# KiCad board ikafly_rev0a_p.kicad_pcb (continued)
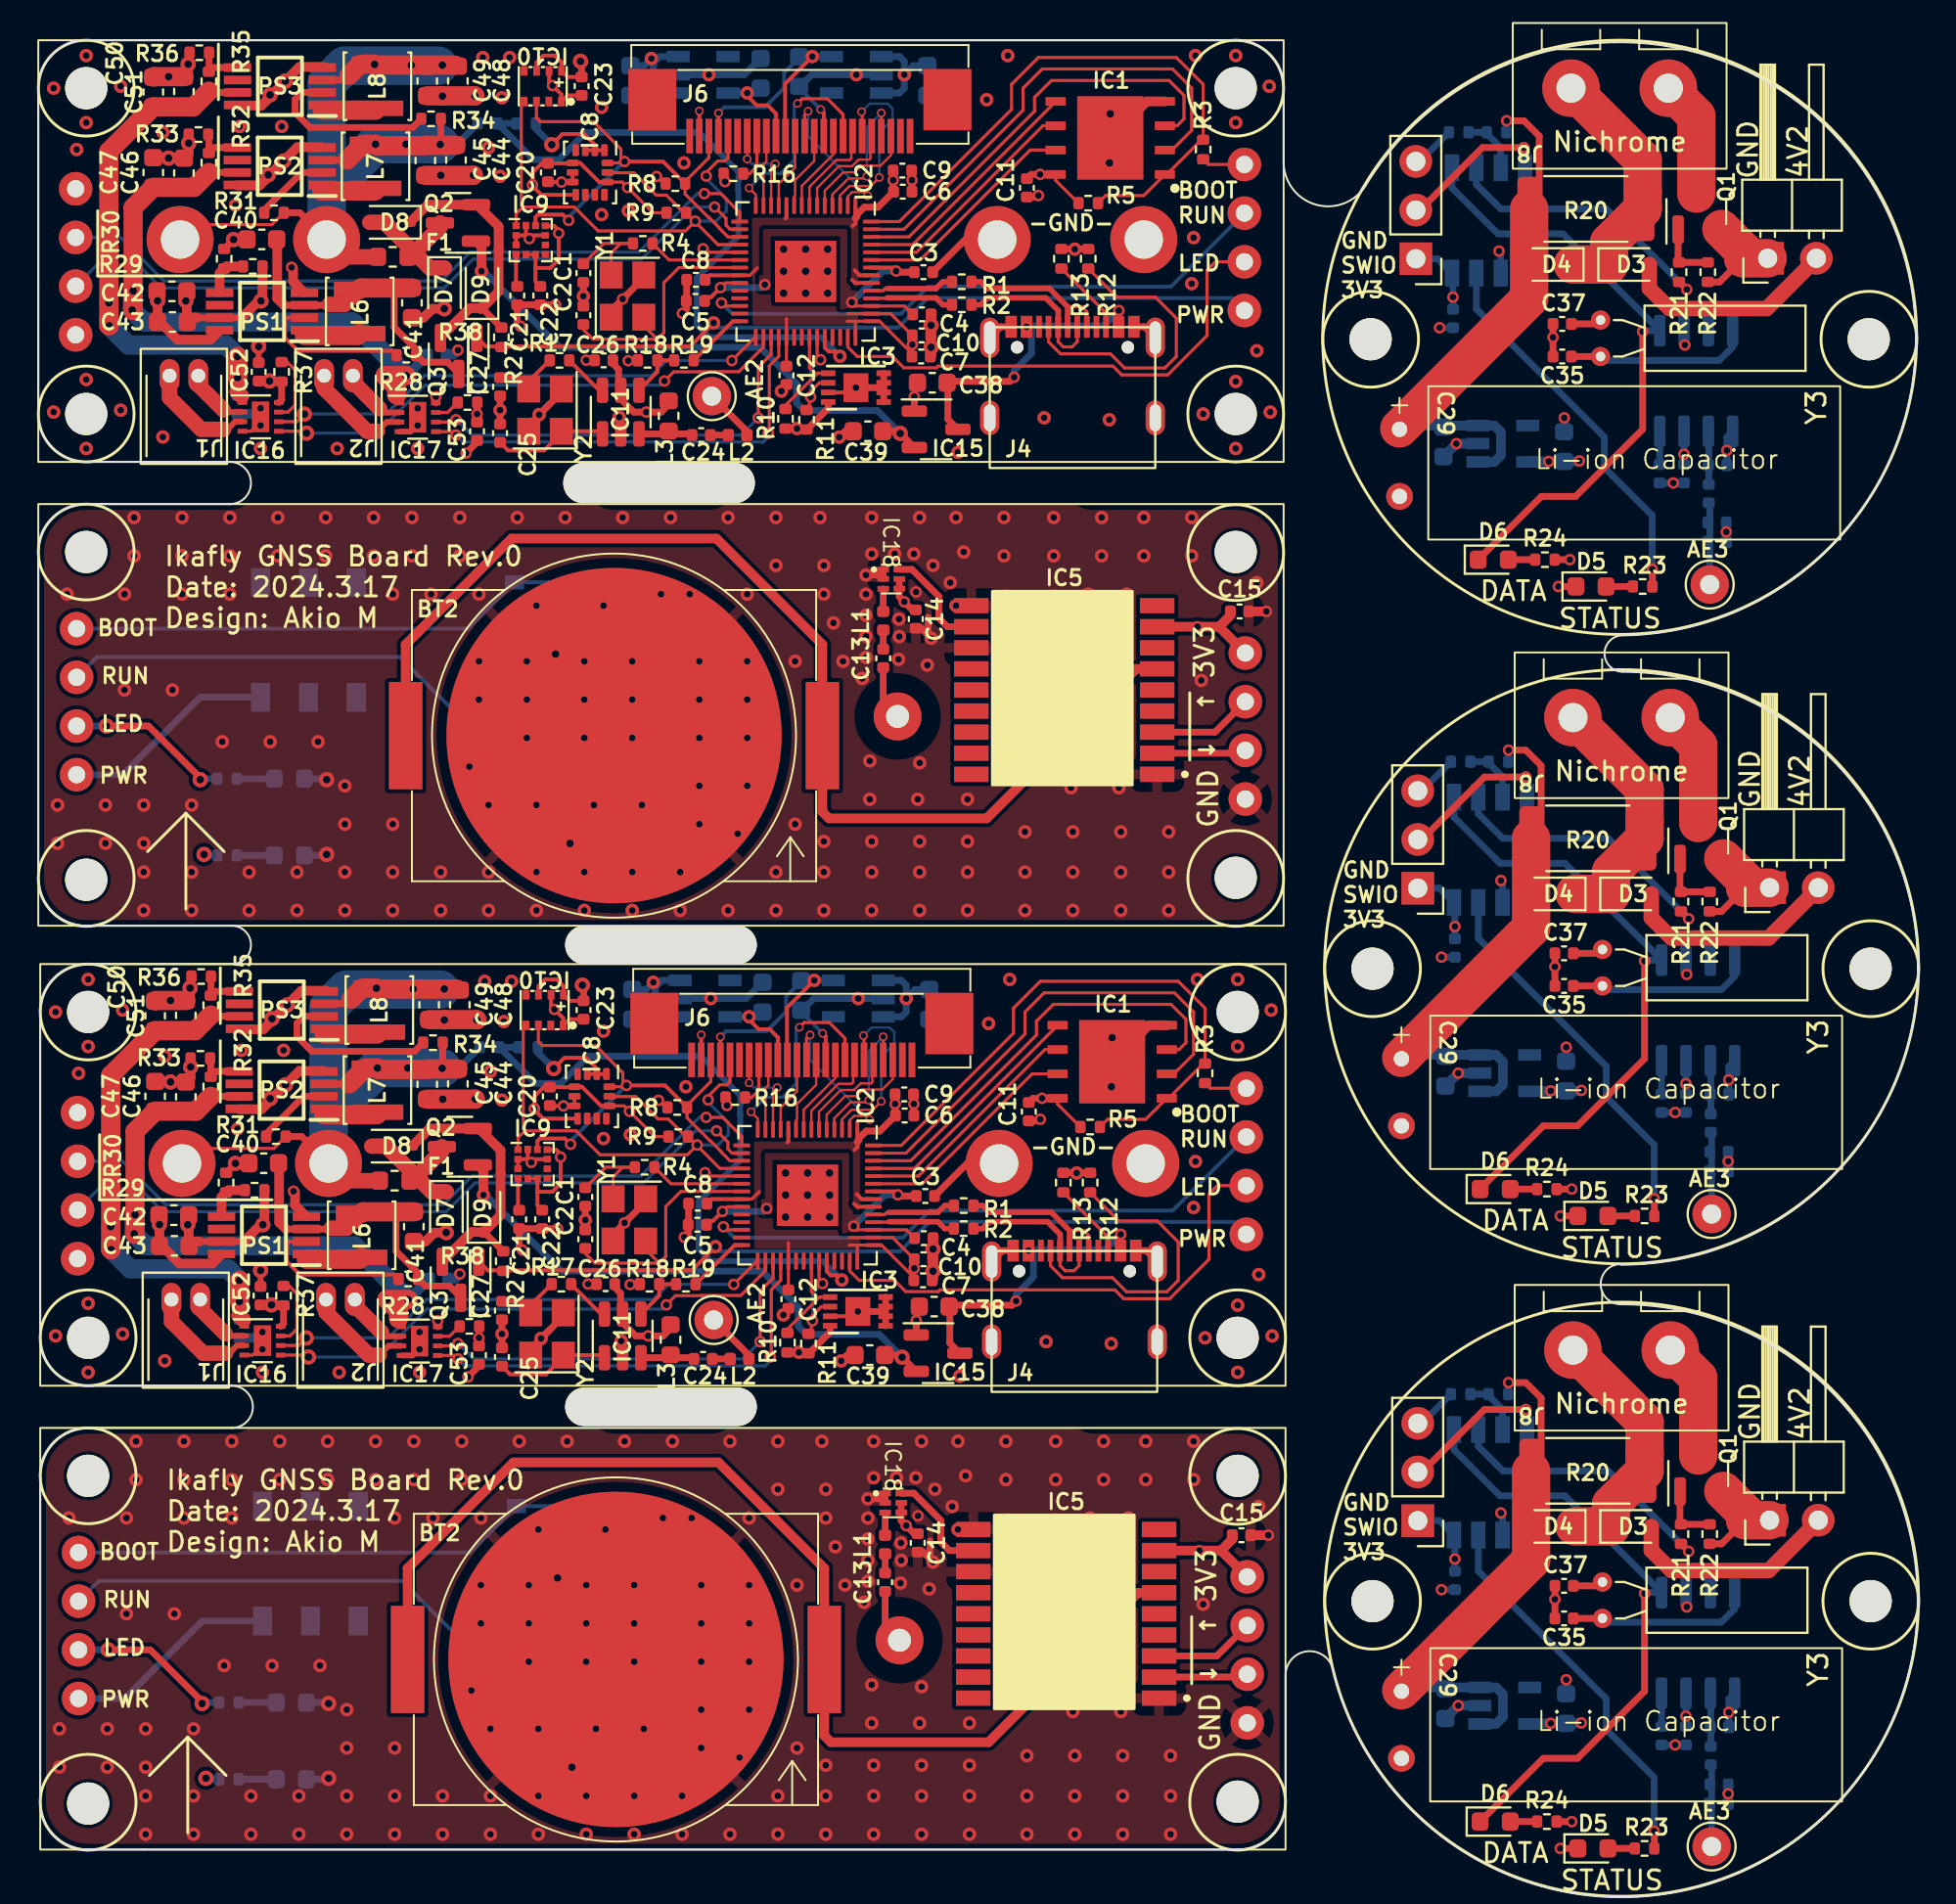
[diagram p0: board, top side]
## Routing (per net, layer and track width the routed paths; a pad name or vN(x,y) marks a point on that pad's centre or on a via; arc(x,y) is an arc through that point) (continued)
  Top w0.16: R3#2.1 61.17,42.2 J3#2.5 ; R3.1 61.07,90.4 J3.5
  Bottom w0.2: J5#2.5 22.43,66.18 S1#2.B1 S1#2.A1 ; S1.A1 S1.B1 22.53,17.98 J5.5
/Ikafly_GNSS/LED: length 69.8
  Top w0.16: J3.7 61.44,85.32 61,84.88 61,81.47 58.95,79.42 56.55,79.42 56.09,79.88 46.96,79.88 46.87,79.79 45.17,79.79 44.58,80.38 42.75,80.38 42.25,80.88 IC2.41 ; J3#2.7 61.54,37.12 61.1,36.68 61.1,33.27 59.05,31.22 56.65,31.22 56.19,31.68 47.06,31.68 46.97,31.59 45.27,31.59 44.69,32.18 42.85,32.18 42.35,32.68 IC2#2.41
  Top w0.35: v2(8.45,58.3) 8.45,58.4 5.75,61.1 v2(3.55,61.1) ; v2(8.55,10.1) 8.55,10.2 5.85,12.9 v2(3.65,12.9)
  Bottom w0.35: R14.1 8.5,58.35 v2(8.45,58.3) ; v2(3.55,61.1) J5#2.7 ; v2(8.55,10.1) 8.6,10.15 R14#2.1 ; v2(3.65,12.9) J5.7
/Ikafly_GNSS/MISO: length 85.5
  Top w0.16: v3(35.3,88.18) 35.89,87.59 35.89,87.23 36.11,87.02 IC2.16 ; IC2#2.16 36.21,38.82 35.99,39.03 35.99,39.39 v3(35.4,39.98)
  Top w0.35: IC5.2 62.85,59.68 J5#2.3 ; IC5#2.2 62.95,11.48 J5.3
  Bottom w0.16: J3.3 3.08,85.18 5.19,85.18 6.41,83.96 21.19,83.96 22.69,85.46 31.49,85.46 34.21,88.18 v3(35.3,88.18) ; v3(35.4,39.98) 34.31,39.98 31.59,37.26 22.79,37.26 21.29,35.76 6.51,35.76 5.29,36.98 3.18,36.98 J3#2.3
/Ikafly_GNSS/MOSI: length 87.3
  Top w0.16: v3(34.86,40.68) 35.72,40.68 36.71,39.69 IC2#2.15 ; v3(34.76,88.88) 35.62,88.88 36.61,87.89 IC2.15
  Top w0.35: IC5.3 61.41,60.78 J5#2.2 ; J5.2 61.51,12.58 IC5#2.3
  Bottom w0.16: v3(34.86,40.68) 34.5,40.68 31.44,37.62 22.64,37.62 21.14,36.12 6.66,36.12 4.39,38.39 J3#2.2 ; J3.2 4.29,86.59 6.56,84.32 21.04,84.32 22.54,85.82 31.34,85.82 34.4,88.88 v3(34.76,88.88)
/Ikafly_GNSS/RUN: length 125
  Top w0.16: v3(35.76,34.98) 35.92,34.82 IC2#2.26 ; IC2.26 35.82,83.02 v3(35.66,83.18)
  Bottom w0.2: v3(35.76,34.98) 36.33,34.41 45.13,34.41 46.54,35.82 59.21,35.82 J3#2.6 ; J3.6 59.11,84.02 46.44,84.02 45.03,82.61 36.23,82.61 v3(35.66,83.18) ; J5.6 3.16,16.5 18.97,16.5 S2.B1 S2.A1 ; S2#2.A1 S2#2.B1 18.88,64.7 3.06,64.7 J5#2.6
/Ikafly_MCU/I2C0.SCL: length 10.9
  Top w0.16: v3(40.83,80.21) 40.65,80.39 IC2.37 ; IC2#2.37 40.75,32.19 v3(40.93,32.01) ; IC3.6 40.86,30.81 40.41,30.35 v3(40.41,30.07) 40.35,30.01 40.35,29.44 ; 40.25,77.64 40.25,78.21 v3(40.31,78.27) 40.31,78.55 40.76,79.01 IC3#2.6
  Bottom w0.16: v3(40.31,78.27) 40.31,79.69 v3(40.83,80.21) ; v3(40.93,32.01) 40.41,31.49 v3(40.41,30.07)
/Ikafly_MCU/I2C0.SDA: length 10.6
  Top w0.16: IC2#2.36 40.35,31.59 40.63,31.31 40.83,31.31 ; IC3#2.5 40.73,79.51 ; 40.73,79.51 40.53,79.51 40.25,79.79 IC2.36 ; 40.73,79.51 40.67,79.51 39,77.83 R10#2.2 ; 40.83,31.31 40.77,31.31 39.1,29.63 R10.2 ; 40.83,31.31 IC3.5
/Ikafly_MCU/M1.PWMA: length 53.4
  Top w0.16: v3(36.2,80.17) 37.41,81.38 IC2.29 ; v2(13.89,77.37) 13.5,76.98 IC16.6 ; IC16#2.6 13.6,28.78 v2(13.99,29.17) ; v3(36.3,31.97) 37.51,33.18 IC2#2.29
  Bottom w0.16: v2(13.99,29.17) 14,29.18 18.26,29.18 20.26,31.18 32.1,31.18 32.89,31.97 v3(36.3,31.97) ; v2(13.89,77.37) 13.9,77.38 18.16,77.38 20.16,79.38 32,79.38 32.79,80.17 v3(36.2,80.17)
/Ikafly_MCU/M1.PWMB: length 55.8
  Top w0.16: IC2#2.30 37.95,32.68 36.66,31.39 34.63,31.39 34.62,31.38 33.26,31.38 v3(32.78,30.9) ; v3(32.68,79.1) 33.16,79.58 34.52,79.58 34.53,79.59 36.56,79.59 37.85,80.88 IC2.30 ; IC16.5 13.9,76.48 v2(14,76.38) ; IC16#2.5 14,28.28 v2(14.1,28.18)
  Bottom w0.16: 32.56,78.98 v3(32.68,79.1) 32.46,78.88 20.18,78.88 17.68,76.38 v2(14,76.38) ; v2(14.1,28.18) 17.78,28.18 20.28,30.68 32.56,30.68 v3(32.78,30.9) 32.66,30.78
/Ikafly_MCU/M2.PWMA: length 44.1
  Top w0.16: IC17#2.6 21.78,28.76 v3(21.9,28.88) ; v3(21.8,77.08) 21.68,76.96 IC17.6 ; v3(37.68,28.98) 37.68,31.62 38.35,32.29 IC2#2.31 ; IC2.31 38.25,80.49 37.58,79.82 v3(37.58,77.18)
  Bottom w0.16: v3(37.58,77.18) 36.68,76.28 22.62,76.28 21.82,77.08 v3(21.8,77.08) ; v3(37.68,28.98) 36.78,28.08 22.72,28.08 21.92,28.88 v3(21.9,28.88)
/Ikafly_MCU/M2.PWMB: length 46.5
  Top w0.16: v3(21.9,28.08) 21.72,28.26 IC17#2.5 ; IC2#2.32 38.75,32.18 38.26,31.69 38.26,28.24 v3(38.2,28.18) ; v3(21.8,76.28) 21.62,76.46 IC17.5 ; IC2.32 38.65,80.38 38.16,79.89 38.16,76.44 v3(38.1,76.38)
  Bottom w0.16: 37.9,75.98 38.1,76.18 v3(38.1,76.38) ; 37.9,75.98 37.8,75.88 ; 37.9,75.98 37.84,75.92 22.16,75.92 v3(21.8,76.28) ; v3(38.2,28.18) 38.2,27.98 38,27.78 ; v3(21.9,28.08) 22.26,27.72 37.94,27.72 38,27.78 ; 38,27.78 37.9,27.68
/Ikafly_MCU/QSPI_SCLK: length 24.7
  Top w0.16: IC2.52 45.84,85.82 52.44,92.42 IC1.6 ; IC1#2.6 52.54,44.22 45.94,37.62 IC2#2.52
/Ikafly_MCU/QSPI_SD0: length 25.4
  Top w0.16: IC2.53 45.64,86.22 53.1,93.68 IC1.5 ; IC2#2.53 45.74,38.02 53.2,45.48 IC1#2.5
/Ikafly_MCU/QSPI_SD1: length 50.6
  Top w0.16: IC2#2.55 45.29,38.82 51.5,45.03 51.5,46.18 52.5,47.18 59.3,47.18 60.3,46.18 60.3,43.98 59.27,42.95 IC1#2.2 ; IC2.55 45.19,87.02 51.4,93.23 51.4,94.38 52.4,95.38 59.2,95.38 60.2,94.38 60.2,92.18 59.17,91.15 IC1.2
/Ikafly_MCU/QSPI_SD2: length 45.6
  Top w0.16: IC1#2.3 59.54,44.22 59.9,44.58 59.9,45.8 59.12,46.58 52.98,46.58 52.1,45.7 52.1,44.98 45.54,38.42 IC2#2.54 ; IC2.54 45.44,86.62 52,93.18 52,93.9 52.88,94.78 59.02,94.78 59.8,94 59.8,92.78 59.44,92.42 IC1.3
/Ikafly_MCU/QSPI_SD3: length 24
  Top w0.16: IC1#2.7 51.87,42.95 46.14,37.22 IC2#2.51 ; IC1.7 51.77,91.15 46.04,85.42 IC2.51
/Ikafly_MCU/QSPI_SS: length 63.8
  Top w0.16: R5#2.2 55.71,88.78 57.7,88.78 IC1.1 58.9,89.88 60.8,91.78 60.8,94.58 59.4,95.98 52.2,95.98 50.8,94.58 50.8,93.28 44.94,87.42 IC2.56 ; IC2#2.56 45.04,39.22 50.9,45.08 50.9,46.38 52.3,47.78 59.5,47.78 60.9,46.38 60.9,43.58 59,41.68 IC1#2.1 57.8,40.58 55.81,40.58 R5.2
/Ikafly_MCU/RF_TX: length 6.5
  Top w0.2: IC2.28 36.25,82.22 R19.2 ; IC2#2.28 36.35,34.02 R19#2.2
/Ikafly_MCU/USB.D_N: length 17.2
  Top w0.16: J4.7 54.33,32.95 54.06,32.68 53.6,32.68 53.33,32.95 J4.5 ; J4#2.5 53.23,81.15 53.5,80.88 53.96,80.88 54.23,81.15 J4#2.7
  Top w0.286: R2.1 49.19,83.08 49.55,83.44 52.58,83.44 53.24,82.78 53.24,82.36 53.23,82.35 J4#2.5 ; J4.5 53.33,34.15 53.34,34.16 53.34,34.58 52.68,35.24 49.65,35.24 49.29,34.88 R2#2.1
/Ikafly_MCU/USB.D_P: length 17
  Top w0.16: J4.8 54.83,34.51 54.56,34.78 53.82,34.78 ; 53.72,82.98 54.46,82.98 54.73,82.71 J4#2.8
  Top w0.286: R1#2.1 49.29,36.08 49.65,35.72 52.88,35.72 53.82,34.78 53.82,34.16 53.83,34.15 J4.6 ; R1.1 49.19,84.28 49.55,83.92 52.78,83.92 53.72,82.98 53.72,82.36 53.73,82.35 J4#2.6
/Ikafly_MCU/USB_BD_N: length 8.7
  Top w0.16: 44.41,35.24 44.39,35.22 IC2#2.46 ; 44.31,83.44 44.29,83.42 IC2.46
  Top w0.286: 44.41,35.24 46.95,35.24 47.31,34.88 R2#2.2 ; R2.2 47.21,83.08 46.85,83.44 44.31,83.44
/Ikafly_MCU/USB_BD_P: length 8.8
  Top w0.16: 44.41,35.72 44.29,35.72 44.19,35.62 IC2#2.47 ; 44.31,83.92 44.19,83.92 44.09,83.82 IC2.47
  Top w0.286: R1#2.2 47.31,36.08 46.95,35.72 44.41,35.72 ; R1.2 47.21,84.28 46.85,83.92 44.31,83.92
/Ikafly_Motor1/OUT1: length 6.9
  Top w0.3: 8.45,30.53 J1#2.1 ; IC16#2.2 9.7,29.28 ; 8.35,78.73 J1.1 ; IC16.2 9.6,77.48
  Top w0.8: 9.66,77.59 8.41,78.84 ; 9.76,29.39 8.51,30.64
/Ikafly_Motor1/OUT2: length 11.6
  Top w0.3: 9.67,76.58 9.87,76.58 10.27,76.98 IC16.3 ; 9.77,28.38 9.97,28.38 10.37,28.78 IC16#2.3
  Top w0.8: 9.67,76.58 8.5,76.58 6.85,78.23 J1.2 ; J1#2.2 6.95,30.03 8.6,28.38 9.77,28.38
/Ikafly_Motor2/OUT1: length 8.3
  Top w0.3: IC17#2.2 17.92,29.26 ; 16.52,30.66 16.52,30.98 ; IC17.2 17.82,77.46 ; 16.42,78.86 16.42,79.18
  Top w0.5: J2.1 16.42,78.86 ; J2#2.1 16.52,30.66
  Top w0.8: J2.1 16.42,79.06 17.82,77.66 ; 17.92,29.46 16.52,30.86 J2#2.1
/Ikafly_Motor2/OUT2: length 11.8
  Top w0.3: 17.8,28.28 18.28,28.76 IC17#2.3 ; J2.2 14.92,79.18 ; J2#2.2 15.02,30.98 ; 17.7,76.48 18.18,76.96 IC17.3
  Top w0.8: 17.8,28.28 17.25,28.28 15.02,30.52 J2#2.2 ; 17.7,76.48 17.15,76.48 14.92,78.72 J2.2
/Ikafly_Separation_Board/DATA: length 97.2
  Top w0.35: v3(83.84,48.84) 83.84,43.74 80.34,40.24 78.55,40.24 D6.1 ; v3(83.74,81.68) 83.74,76.58 80.24,73.08 78.45,73.08 D6#2.1 ; v3(83.84,15.84) 83.84,10.74 80.34,7.24 78.55,7.24 D6#3.1
  Bottom w0.35: IC12#3.5 73.79,89.18 76.19,86.78 79.58,86.78 IC13#3.5 83.79,81.73 v3(83.74,81.68) ; v3(83.84,15.84) 83.89,15.89 IC13#2.5 79.68,20.94 76.29,20.94 73.89,23.34 IC12#2.5 ; IC12.5 73.89,56.34 76.29,53.94 79.68,53.94 IC13.5 83.89,48.89 v3(83.84,48.84)
/Ikafly_Separation_Board/HEAT: length 44
  Top w0.35: R21.1 85.75,18.43 v3(86.14,18.04) ; v3(86.04,83.88) 85.65,84.27 R21#2.1 ; v3(86.14,51.04) 85.75,51.43 R21#3.1
  Bottom w0.35: IC12#3.6 75.06,89.36 76.34,88.08 81.84,88.08 v3(86.04,83.88) ; IC12.6 75.16,56.52 76.44,55.24 81.94,55.24 v3(86.14,51.04) ; v3(86.14,18.04) 81.94,22.24 76.44,22.24 75.16,23.52 IC12#2.6
/Ikafly_Separation_Board/LED: length 60.5
  Top w0.35: R23#3.1 84.35,3.43 v3(84.34,3.44) ; R23.1 84.25,69.27 v3(84.24,69.28) ; v3(84.34,36.44) 84.35,36.43 R23#2.1
  Bottom w0.35: IC12#3.3 75.06,82.86 81.74,76.18 81.74,74.58 84.24,72.08 v3(84.24,69.28) ; IC12.3 75.16,50.02 81.84,43.34 81.84,41.74 84.34,39.24 v3(84.34,36.44) ; v3(84.34,3.44) 84.34,6.24 81.84,8.74 81.84,10.34 75.16,17.02 IC12#2.3
/Ikafly_Separation_Board/SWIO: length 24.2
  Top w0.35: v3(77.54,91.28) 75.38,91.28 72.12,88.02 J9.2 ; v3(77.64,25.44) 75.48,25.44 72.22,22.18 J9#3.2 ; v3(77.64,58.44) 75.48,58.44 72.22,55.18 J9#2.2
  Bottom w0.35: IC12#3.8 77.6,91.22 v3(77.54,91.28) ; IC12.8 77.7,58.38 v3(77.64,58.44) ; IC12#2.8 77.7,25.38 v3(77.64,25.44)
/Ikafly_Separation_Board/VCAP: length 86.9
  Top w0.35: v3(76.64,92.68) 77.54,92.68 78.34,91.88 78.34,88.61 77.81,88.08 ; v3(76.74,26.84) 77.64,26.84 78.44,26.04 78.44,22.77 R20#3.2 ; v3(76.74,59.84) 77.64,59.84 78.44,59.04 78.44,55.77 R20.2
  Top w2: R20#3.2 77.91,17.57 71.14,10.79 ; 71.14,43.79 77.91,50.57 R20.2 ; 71.04,76.63 77.81,83.41 77.81,88.08
  Bottom w0.35: R25.1 76.62,92.66 v3(76.64,92.68) ; v3(76.74,59.84) 76.72,59.82 R25#2.1 ; v3(76.74,26.84) 76.72,26.82 R25#3.1
  Bottom w0.5: IC14.1 75.99,74.88 76.34,75.23 76.34,76.43 75.99,76.78 IC14.3 71.19,76.78 71.04,76.63 ; 71.14,10.79 71.29,10.94 IC14#3.3 76.09,10.94 76.44,10.59 76.44,9.39 76.09,9.04 IC14#3.1 ; IC14#2.1 76.09,42.04 76.44,42.39 76.44,43.59 76.09,43.94 IC14#2.3 71.29,43.94 71.14,43.79
/POWER: length 106.1
  Top w0.2: v1(35.25,82.13) 34.01,80.9 23.36,80.9 22.89,81.38 ; v1(35.35,33.93) 34.11,32.7 23.46,32.7 22.99,33.18
  Bottom w0.2: J3#2.8 62.4,35.23 46.52,35.23 44.98,33.69 35.59,33.69 v1(35.35,33.93) ; v1(35.25,82.13) 35.49,81.89 44.88,81.89 46.42,83.43 62.3,83.43 J3.8
  Bottom w0.35: S3.3 8.45,62.6 4.41,58.56 J5#2.8 ; S3#2.3 8.55,14.4 4.51,10.36 J5.8
/VM1: length 59.9
  Top w0.35: R35#2.1 9.06,45.96 PS3.7 ; PS3#2.7 8.96,94.16 R35.1
  Top w0.8: 10.6,78.32 10.38,78.54 10.4,78.56 v2(10.4,79.28) ; v2(10.5,31.08) 10.5,30.36 10.48,30.34 10.7,30.12
  Top w1: v2(3.8,33.78) 3.78,33.8 3.78,42.89 C50.1 8.19,45.21 R35#2.1 ; R35.1 8.08,93.41 6,93.41 3.68,91.09 3.68,82 v2(3.7,81.98) ; v2(10.5,31.08) v2(10.5,32.18) ; v2(10.4,79.28) v2(10.4,80.38)
  Bottom w0.5: C54.1 v2(10.5,31.08) ; C54#2.1 v2(10.4,79.28)
  Bottom w1: v2(10.4,79.28) v2(10.4,80.38) 9.8,80.98 4.7,80.98 v2(3.7,81.98) 3.7,83.16 v2(3.68,83.18) ; v2(3.78,34.98) 3.8,34.96 v2(3.8,33.78) 4.8,32.78 9.9,32.78 v2(10.5,32.18) v2(10.5,31.08)
/VM2: length 66.1
  Top w0.35: PS2#2.7 R32#2.1 ; PS2.7 R32.1
  Top w1: v2(19.3,31.18) v2(18.2,31.18) 18.8,30.58 18.8,30.18 ; 18.7,78.38 18.7,78.78 v2(18.1,79.38) v2(19.2,79.38) ; 4.95,82.78 4.95,88.16 C47.1 8.12,89.21 R32.1 ; R32#2.1 8.22,41.01 C47#2.1 5.05,39.96 5.05,34.58
  Bottom w0.5: C55.1 19.32,31.18 v2(19.3,31.18) ; v2(19.2,79.38) 19.22,79.38 C55#2.1
  Bottom w1: 18.85,79.6 18.98,79.6 16.4,82.18 5.52,82.18 v2(4.9,82.81) 4.9,83.76 ; v2(18.1,79.38) 19.06,79.38 19.13,79.45 ; 5,35.56 v2(5,34.61) 5.62,33.98 16.5,33.98 19.08,31.4 18.95,31.4 ; v2(18.2,31.18) 19.16,31.18 19.23,31.25
  vias: v2(4.95,83.81) v2(5.05,35.61)
Net-(AE1-A): length 5.7
  Top w0.35: C13.1 44.1,62.35 AE1#2.1 ; AE1.1 44.2,14.15 C13#2.1
Net-(AE2-A): length 5.6
  Top w0.35: AE2.1 36.98,76.48 36.98,76.28 ; 37.08,28.08 37.08,28.28 AE2#2.1
Net-(AE3-A): length 12.9
  Bottom w0.35: AE3#3.1 87.34,6.86 C31.1 ; AE3#2.1 87.24,72.7 C31#2.1 ; AE3.1 87.34,39.86 C31#3.1
Net-(BT2-+): length 121.3
  Top w0.5: BT2#2.1 19.17,65.36 24.7,70.88 35.4,70.88 40.92,65.36 BT2#2.1 40.92,56.63 41.27,56.28 49.5,56.28 57.3,64.08 IC5.6 ; BT2.1 19.27,17.16 24.8,22.68 35.5,22.68 41.02,17.16 BT2.1 41.02,8.43 41.37,8.08 49.6,8.08 57.4,15.88 IC5#2.6
Net-(C1-Pad2): length 11.1
  Top w0.16: C1.2 29.52,86.28 R4#2.1 30.4,86.28 29.9,85.78 Y1#2.1 ; Y1.1 30,37.58 30.5,38.08 R4.1 29.62,38.08 C1#2.2
Net-(C13-Pad2): length 2
  Top w0.35: C13.2 L1.1 ; C13#2.2 L1#2.1
Net-(C24-Pad1): length 1.9
  Top w0.35: C24.1 L2.2 ; C24#2.1 L2#2.2
Net-(C27-Pad1): length 7.4
  Top w0.2: R17.1 25.7,30.89 Y2.3 25.1,31.08 C27.1 ; R17#2.1 25.6,79.09 Y2#2.3 25,79.28 C27#2.1
Net-(C37-Pad1): length 4.8
  Top w0.35: C37#3.1 81.44,16.24 Y3.2 ; C37#2.1 81.44,49.24 Y3#3.2 ; Y3#2.2 81.34,82.08 C37.1
Net-(D1-A): length 3.9
  Bottom w0.35: D1#2.2 R14.2 ; D1.2 R14#2.2
Net-(D2-A): length 3.9
  Bottom w0.35: D2.2 R15.2 ; D2#2.2 R15#2.2
Net-(D3-K): length 40.1
  Top w2: D4#2.1 D3#3.1 82.09,53.49 R20.1 83.84,57.8 J8.2 ; D4.1 D3#2.1 82.09,20.49 R20#3.1 83.84,24.8 J8#3.2 ; D4#3.1 D3.1 81.99,86.33 R20#2.1 83.74,90.64 J8#2.2
Net-(D5-A): length 4.2
  Top w0.35: R23#3.2 D5.2 ; R23.2 D5#3.2 ; R23#2.2 D5#2.2
Net-(D6-A): length 4.2
  Top w0.35: R24#2.2 D6.2 ; R24.2 D6#3.2 ; R24#3.2 D6#2.2
Net-(D7-K): length 14.8
  Top w0.8: F1.2 19.41,85.58 20.96,87.14 Q2#2.3 ; D8.2 18.15,39.18 20.53,36.8 D7#2.1 ; F1#2.2 19.51,37.38 21.06,38.94 Q2.3 ; D7.1 20.43,85 18.05,87.38 D8#2.2
Net-(D8-K): length 28.7
  Top w0.35: D9#2.1 24.27,33.69 R27.1 ; R27#2.1 24.17,81.89 D9.1
  Top w0.5: 20.99,81.38 22.51,82.9 23.16,82.9 24.02,83.77 24.02,85.94 24.03,85.94 24.03,87.17 22.9,88.3 20.32,88.3 D8#2.1 ; D8.1 20.42,40.1 23,40.1 24.13,38.97 24.13,37.74 24.12,37.74 24.12,35.57 23.26,34.7 22.61,34.7 21.09,33.18
Net-(D9-A): length 59.3
  Top w0.35: C39#2.1 44.88,76.48 v2(44.99,76.37) IC15#2.2 ; IC15.2 v2(45.09,28.17) 44.97,28.28 C39.1
  Top w0.5: Q2#2.1 23.13,86.11 v1(23.13,84.83) ; Q2.1 23.23,37.91 v1(23.23,36.63)
  Bottom w0.35: v1(23.13,84.83) 23.25,84.83 27.22,80.86 37.68,80.86 39.57,78.97 39.57,77.97 39.98,77.56 43.8,77.56 v2(44.99,76.37) ; v2(45.09,28.17) 43.9,29.36 40.08,29.36 39.67,29.77 39.67,30.77 37.78,32.66 27.32,32.66 23.35,36.63 v1(23.23,36.63)
Net-(IC2-GPIO26_ADC0): length 68.7
  Top w0.2: v1(41.94,32.19) 41.69,32.44 41.36,32.44 41.15,32.65 IC2#2.38 ; IC2.38 41.05,80.85 41.26,80.64 41.59,80.64 v1(41.84,80.39)
  Bottom w0.3: v1(41.94,32.19) 40.95,33.19 35.11,33.19 34.46,33.83 34.46,36.27 36.64,38.45 36.64,40.83 36.62,40.84 36.62,41.32 36.64,41.33 36.64,41.82 34.59,43.87 ; v1(41.84,80.39) 40.85,81.39 35.01,81.39 34.36,82.03 34.36,84.47 36.54,86.65 36.54,89.03 36.52,89.04 36.52,89.52 36.54,89.53 36.54,90.02 34.49,92.07
  Bottom w0.35: 34.49,92.07 28.58,92.07 27.16,90.66 25.84,90.66 R6.2 R7#2.1 ; 34.59,43.87 28.68,43.87 27.26,42.46 25.94,42.46 R6#2.2 R7.1
Net-(IC2-XIN): length 9.8
  Top w0.16: R4.2 33.02,37.22 IC2#2.20 ; IC2.20 32.92,85.42 R4#2.2
Net-(IC2-XOUT): length 25.8
  Top w0.16: Y1.3 31.7,33.79 32.41,33.08 ; 32.41,33.08 32.75,33.42 32.75,36.03 33.54,36.82 IC2#2.21 ; 32.41,33.08 29.05,33.08 28.55,33.58 ; IC2.21 33.44,85.02 32.65,84.23 32.65,81.62 32.31,81.28 ; 32.31,81.28 31.6,81.99 Y1#2.3 ; 32.31,81.28 28.95,81.28 28.45,81.78
Net-(IC9-C1): length 3.4
  Top w0.2: C21#2.2 24.94,84.1 IC9#2.4 ; IC9.4 25.04,35.9 C21.2
Net-(IC11-DIN): length 5.7
  Top w0.2: R19.1 R18.1 32.31,79.58 IC11.4 ; R19#2.1 R18#2.1 32.41,31.38 IC11#2.4
Net-(IC11-PAOUT): length 5.6
  Top w0.35: IC11#2.3 34.16,28.14 C24#2.2 ; C24.2 34.06,76.34 IC11.3
Net-(IC11-XIN): length 4.8
  Top w0.2: IC11#2.6 29.37,30.42 R17.2 ; R17#2.2 29.27,78.62 IC11.6
Net-(IC11-XOUT): length 12.1
  Top w0.2: C25#2.1 24.62,27.28 26.5,27.28 27.4,28.18 Y2.1 29.41,28.28 IC11#2.1 ; IC11.1 29.31,76.48 Y2#2.1 27.3,76.38 26.4,75.48 24.52,75.48 C25.1
Net-(IC12-PC4/A2/T1CH4/MCO/T1CH1CH2N): length 9.3
  Bottom w0.35: R26.1 R25#2.2 75.7,59.17 76.43,58.44 IC12.7 ; IC12#2.7 76.43,25.44 75.7,26.17 R25#3.2 R26#3.1 ; R26#2.1 R25.2 75.6,92.01 76.33,91.28 IC12#3.7
Net-(IC12-PD6/A6/URX/T2CH3_/UTX_PA1/OSCI/A1/T1CH2/OPN0): length 6.2
  Bottom w0.35: IC12.1 77.74,51.85 TP1#3.1 ; TP1#2.1 77.64,84.69 IC12#3.1 ; IC12#2.1 77.74,18.85 TP1.1
Net-(IC13-ANT): length 8.3
  Bottom w0.35: IC13#2.2 87.29,10.62 C31.2 ; C31#2.2 87.19,76.46 IC13#3.2 ; IC13.2 87.29,43.62 C31#3.2
Net-(IC13-CTH): length 5.3
  Bottom w0.35: IC13.4 84.73,43.63 84.73,41.87 ; 84.63,74.71 84.63,76.47 IC13#3.4 ; IC13#2.4 84.73,10.63 84.73,8.87
Net-(IC13-RefOsc): length 28.9
  Top w0.35: C35#2.1 Y3#2.1 ; C35#3.1 Y3.1 ; C35.1 Y3#3.1
  Bottom w0.35: IC13#3.8 88.44,80.88 87.74,80.18 81.74,80.18 Y3#2.1 ; IC13.8 88.54,48.04 87.84,47.34 81.84,47.34 Y3#3.1 ; IC13#2.8 88.54,15.04 87.84,14.34 81.84,14.34 Y3.1
Net-(IC16-~{SLEEP}): length 7.4
  Top w0.16: R37.2 12.99,80.09 13.4,79.68 13.4,77.85 13.03,77.48 IC16.7 ; IC16#2.7 13.13,29.28 13.5,29.65 13.5,31.48 13.09,31.89 R37#2.2
Net-(IC17-~{SLEEP}): length 2.7
  Top w0.16: IC17.7 21.36,77.46 21.88,77.98 R38#2.2 ; R38.2 21.98,29.78 21.46,29.26 IC17#2.7
Net-(IC18-RFIN): length 2.4
  Top w0.35: L1#2.2 IC18#2.3 ; L1.2 IC18.3
Net-(IC18-RFOUT): length 11.3
  Top w0.35: 45.04,21.07 45.69,21.07 47.1,19.67 47.1,18.53 47.55,18.08 IC5#2.11 ; 44.94,69.27 45.59,69.27 47,67.87 47,66.73 47.45,66.28 IC5.11
Net-(J4-A5_CC1): length 31.9
  Top w0.16: R12.1 56.39,35.28 58.4,35.28 59.5,34.18 59.5,32.18 58.9,31.58 56.8,31.58 56.06,32.32 53.45,32.32 52.83,32.94 J4.4 ; R12#2.1 56.29,83.48 58.3,83.48 59.4,82.38 59.4,80.38 58.8,79.78 56.7,79.78 55.96,80.52 53.35,80.52 52.73,81.14 J4#2.4
Net-(J4-B5_CC2): length 8
  Top w0.16: J4#2.10 55.73,82.64 R13.1 ; J4.10 55.83,34.44 R13#2.1
Net-(J6-PWDN): length 4.7
  Top w0.16: J6#2.8 37.5,91.88 37.5,90.29 37.12,89.91 36.92,89.91 ; J6.8 37.6,43.68 37.6,42.09 37.22,41.71 37.02,41.71
Net-(J8-Pin_1): length 18.3
  Top w2: J8#3.1 86.64,27.08 Q1.3 ; Q1#2.3 86.64,60.08 J8.1 ; J8#2.1 86.54,92.92 Q1#3.3
Net-(PS1-EN): length 16.3
  Top w0.2: 13.89,82.41 13,82.41 12.87,82.28 12.87,81.36 13.56,80.68 18.49,80.68 18.69,80.48 ; 18.79,32.28 18.59,32.48 13.66,32.48 12.97,33.16 12.97,34.08 13.1,34.21 13.99,34.21
Net-(PS1-FB): length 4.7
  Top w0.5: 9.46,83.73 9.46,84.73 R30.1 9.81,85.08 R29#2.2 ; R29.2 9.91,36.88 R30#2.1 9.56,36.53 9.56,35.53
Net-(PS1-LX): length 5.9
  Top w1: 13.89,81.48 16.67,81.48 L6#2.2 ; L6.2 16.77,33.28 13.99,33.28
Net-(PS2-EN): length 7.9
  Top w0.35: PS2#2.2 13.85,41.78 11.89,39.82 R31.2 ; PS2.2 13.75,89.98 11.79,88.02 R31#2.2
Net-(PS2-FB): length 5.2
  Top w0.35: PS2#2.5 9.28,43.08 R32#2.2 9,43.73 R33.1 ; R33#2.1 8.9,91.93 R32.2 9.18,91.28 PS2.5
Net-(PS2-LX): length 5.6
  Top w1: 17.58,89.02 14.8,89.02 ; 17.68,40.82 14.9,40.82
Net-(PS3-EN): length 18.7
  Top w0.35: R34#2.2 19.64,44.13 14.28,44.13 13.5,44.91 13.5,45.6 13.86,45.96 PS3.2 ; PS3#2.2 13.76,94.16 13.4,93.8 13.4,93.11 14.18,92.33 19.54,92.33 R34.2
Net-(PS3-FB): length 5.2
  Top w0.35: R36#2.1 9.01,47.05 R35#2.2 9.21,47.26 10.5,47.26 ; R36.1 8.91,95.25 R35.2 9.11,95.46 PS3#2.5
Net-(PS3-LX): length 5.6
  Top w1: 17.6,93.23 14.82,93.23 ; 17.7,45.03 14.92,45.03
Net-(Q1-G): length 9.7
  Top w0.35: Q1#2.1 85.69,52.5 R21#3.2 R22#2.1 ; R22#3.1 R21#2.2 85.59,85.34 Q1#3.1 ; R22.1 R21.2 85.69,19.5 Q1.1

## Copper pours and planes (outline as drawn; the poured copper is in the pictures)
/3V3 on Top: 37.38,33.83 37.35,39.43 42.9,39.43 42.9,33.83
/3V3 on Top: 37.27,82.03 37.25,87.63 42.8,87.63 42.8,82.03
/3V3 on In2.Cu: 65,74.88 65,96.88 0,96.88 0,74.88
/3V3 on In2.Cu: 0,72.68 0,50.68 65,50.68 65,72.68
/3V3 on In2.Cu: 0.1,24.48 0.1,2.48 65.1,2.48 65.1,24.48
/3V3 on In2.Cu: 65.1,26.68 65.1,48.68 0.1,48.68 0.1,26.68
/Ikafly_MCU/1V1 on Top: 41.95,34.63 41.95,38.46 38.32,38.46 38.32,35.63 37.72,35.63 37.72,36.43 37.92,36.43 37.92,38.83 42.32,38.83 42.32,36.03 42.52,36.03 42.52,35.63 42.87,35.63 42.87,34.63
/Ikafly_MCU/1V1 on Top: 41.85,82.83 41.85,86.66 38.22,86.66 38.22,83.83 37.62,83.83 37.62,84.63 37.82,84.63 37.82,87.03 42.22,87.03 42.22,84.23 42.42,84.23 42.42,83.83 42.77,83.83 42.77,82.83
/Ikafly_Separation_Board/3V3 on In2.Cu: 82.58,96.85 71.58,92.25 67.08,81.25 71.68,70.35 82.58,65.85 93.48,70.35 98.08,81.25 93.58,92.25
/Ikafly_Separation_Board/3V3 on In2.Cu: 82.68,64.01 71.68,59.41 67.18,48.41 71.78,37.51 82.68,33.01 93.58,37.51 98.18,48.41 93.68,59.41
/Ikafly_Separation_Board/3V3 on In2.Cu: 82.68,31.01 71.68,26.41 67.18,15.41 71.78,4.51 82.68,0.01 93.58,4.51 98.18,15.41 93.68,26.41
GND on Top, Bottom, In1.Cu: 0.1,24.48 0.1,2.48 65.1,2.48 65.1,24.48
GND on Top, Bottom, In1.Cu: 0,72.68 0,50.68 65,50.68 65,72.68
GND on Bottom, In1.Cu: 65,74.88 65,96.88 0,96.88 0,74.88
GND on Bottom, In1.Cu: 65.1,26.68 65.1,48.68 0.1,48.68 0.1,26.68
GND on In1.Cu: 82.64,31.04 71.64,26.44 67.14,15.44 71.74,4.54 82.64,0.04 93.54,4.54 98.14,15.44 93.64,26.44
GND on In1.Cu: 82.54,96.88 71.54,92.28 67.04,81.28 71.64,70.38 82.54,65.88 93.44,70.38 98.04,81.28 93.54,92.28
GND on In1.Cu: 82.64,64.04 71.64,59.44 67.14,48.44 71.74,37.54 82.64,33.04 93.54,37.54 98.14,48.44 93.64,59.44

## Text on the board
B.Silkscreen: DERC CanSat PJ | ON | VCC | STATUS | OFF | Ikafly Main Board Rev.0 / Date: 2024.3.17 / Design: Akio M | RUN | BOOT | イカフライ
F.Fab: MountingHole
F.Silkscreen: BOOT | PWR | RUN | LED | -GND- | GND / SWIO / 3V3 | Ikafly GNSS Board Rev.0 / Date: 2024.3.17 / Design: Akio M | → | 3V3 | GND
